# Altium PCB SystemV1.PcbDoc (part 2 of 3) (continued)
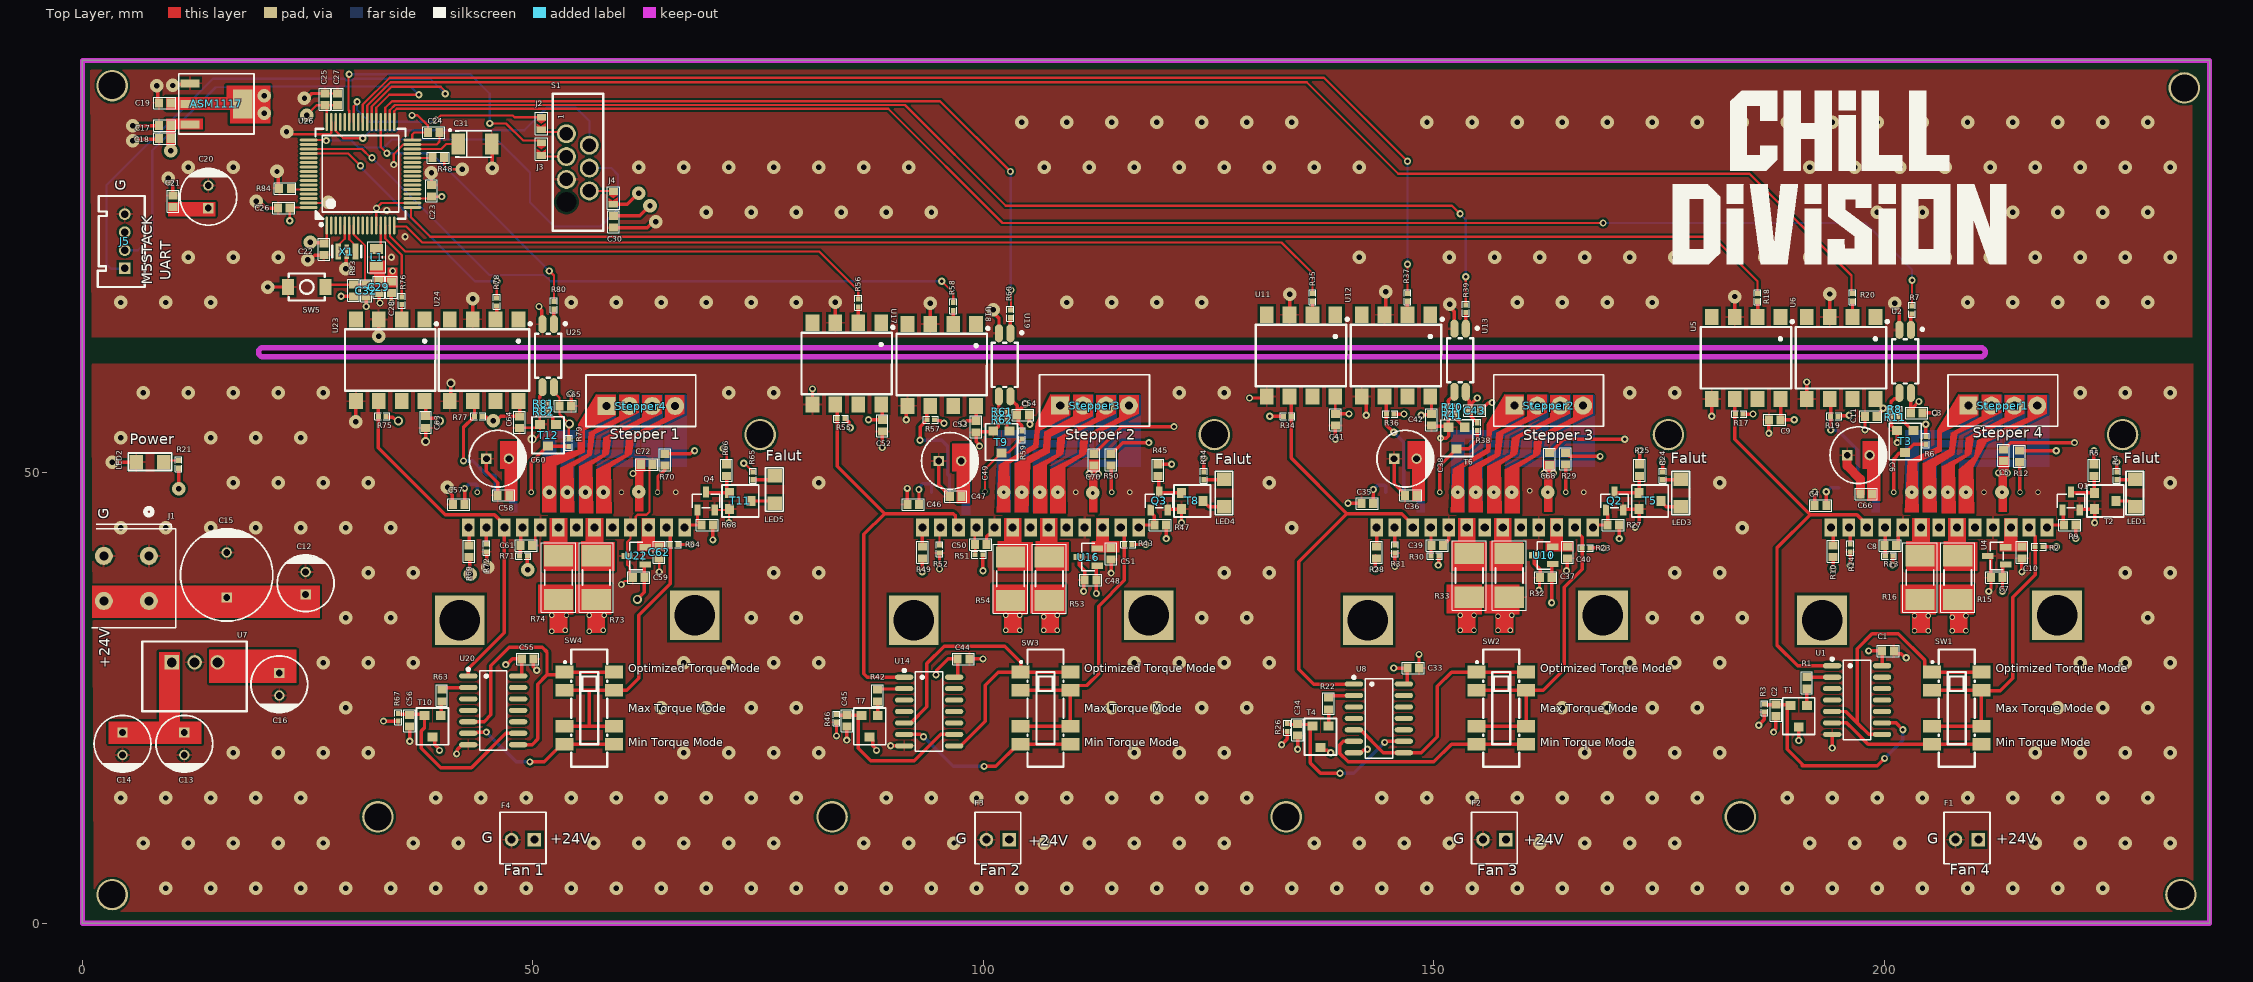
[diagram p0: Top Layer view]
## Nets (pads, with @x,y where several pads share a name; then routed paths per layer and width w, separated by ;. In a path a pad name is that pad's centre, name@x,y a point inside that pad or via, vN(x,y) a via of type N, cw(c..) or ccw(c..) an arc to the next point about the centre after c; other vN are vias at no path point) (continued)
Opt.PWR_2: SW2.1 SW2.8 U8.5 U8.8 | length 27.1
  Top Layer w0.381: U8.5@141.122,21.463 141.854,21.463 144.394,18.923 U8.8@146.66,18.923 148.593,18.923 150.371,20.701 150.371,26.289 151.958,27.876 SW2.1@154.73,27.876 SW2.8@160.23,27.876
Opt.PWR_3: SW3.1 SW3.8 U14.5 U14.8 | length 39.7
  Top Layer w0.381: U14.5@91.211,22.225 91.943,22.225 93.726,24.008 93.726,28.826 95.634,30.734 102.365,30.734 104.143,28.956 104.143,27.879 SW3.1@104.14,27.876 ; U14.8@96.749,19.685 97.481,19.685 100.206,22.41 100.206,26.416 101.666,27.876 SW3.1@104.14,27.876 ; SW3.8@109.64,27.876 SW3.1@104.14,27.876
Opt.PWR_4: SW4.1 SW4.8 U20.5 U20.8 | length 35.7
  Top Layer w0.381: U20.5@42.824,22.352 44.577,22.352 45.339,23.114 45.339,28.575 47.371,30.607 51.054,30.607 51.562,30.099 51.562,27.559 ; U20.8@48.362,19.812 49.911,19.812 50.546,20.447 50.546,26.543 51.562,27.559 ; SW4.8@59.011,27.876 SW4.1@53.511,27.876 53.194,27.559 51.562,27.559
OSC_IN: U26.5 X1.1 | length 3.1
  Top Layer w0.25: X1.1@28.387,74.676 28.387,75.251 29.111,75.975 U26.5@29.111,77.435
OSC_OU: U26.6 X1.3 | length 3
  Top Layer w0.25: U26.6@29.611,77.435 29.611,75.927 30.287,75.251 X1.3@30.287,74.676
RST: C32.2 R83.2 SW5.2 U26.7 | length 11.8
  Top Layer w0.25: SW5.2@26.924,70.866 30.099,70.866 C32.2@31.496,70.866 31.372,70.99 31.372,75.181 30.12,76.433 30.12,77.426 U26.7@30.111,77.435 ; SW5.2@27.094,70.231 SW5.2@27.094,70.316
RX0: J3.1 U26.43 | length 31.8
  Top Layer w0.25: v2(29.594,94.234) 29.526,94.166 29.526,90.26 29.611,90.175 U26.43@29.611,88.935 ; v2(45.215,88.773) 47.006,88.773 48.91,86.869 50.677,86.869 J3.1@50.927,86.619
  Bottom Layer w0.25: v2(29.594,94.234) 43.056,94.234 45.215,92.075 v2(45.215,88.773)
Stepper1_A1: Stepper1.1 U3.16
  other v4: 203.059,47.842
Stepper1_A2: Stepper1.2 U3.14
  other v4: 205.059,47.842
Stepper1_B1: Stepper1.3 U3.12
  other v4: 207.059,47.842
Stepper1_B2: Stepper1.4 U3.10
  other v4: 209.059,47.842
Stepper2_A1: Stepper2.1 U9.16
  other v4: 152.649,47.842
Stepper2_A2: Stepper2.2 U9.14
  other v4: 154.649,47.842
Stepper2_B1: Stepper2.3 U9.12
  other v4: 156.649,47.842
Stepper2_B2: Stepper2.4 U9.10
  other v4: 158.649,47.842
Stepper3_A1: Stepper3.1 U15.16
  other v4: 102.239,47.842
Stepper3_A2: Stepper3.2 U15.14
  other v4: 104.239,47.842
Stepper3_B1: Stepper3.3 U15.12
  other v4: 106.239,47.842
Stepper3_B2: Stepper3.4 U15.10
  other v4: 108.239,47.842
Stepper4_A1: Stepper4.1 U21.16
  other v1: 51.829,47.842
Stepper4_A2: Stepper4.2 U21.14
  other v1: 53.829,47.842
Stepper4_B1: Stepper4.3 U21.12
  other v1: 55.829,47.842
Stepper4_B2: Stepper4.4 U21.10
  other v1: 57.829,47.842
STM_CLK_1: R18.2 U26.17 | length 155
  Top Layer w0.25: U26.17@36.611,79.435 36.475,79.435 36.452,79.412 36.452,78.359 38.611,76.2 180.978,76.2 185.928,71.25 R18.2@185.928,69.902
STM_CLK_2: R35.2 U26.16 | length 106.4
  Top Layer w0.25: U26.16@34.611,77.435 34.611,77.366 34.634,77.343 35.944,77.343 37.722,75.565 133.099,75.565 136.525,72.139 R35.2@136.525,69.902
STM_CLK_3: R56.2 U26.15 | length 56.6
  Top Layer w0.25: U26.15@34.111,77.435 34.12,77.426 34.12,76.246 35.817,74.549 81.791,74.549 86.109,70.231 86.109,69.27 R56.2@86.106,69.267
STM_CLK_4: R76.2 U26.14 | length 8.7
  Top Layer w0.25: U26.14@33.611,77.435 33.611,75.993 35.433,74.171 R76.2@35.433,69.521
STM_DIR_1: R20.2 U26.39 | length 178.6
  Top Layer w0.25: U26.39@31.611,88.935 31.611,90.76 34.196,93.345 135.893,93.345 146.053,83.185 185.042,83.185 196.345,71.882 196.345,70.026 R20.2@196.469,69.902
STM_DIR_2: R37.2 U26.40 | length 137.6
  Top Layer w0.25: U26.40@31.111,88.935 31.111,90.865 34.099,93.853 137.798,93.853 v2(147.069,84.582) ; R37.2@147.066,69.902 147.067,69.903 147.067,73.151 v2(147.069,73.152)
  Bottom Layer w0.25: v2(147.069,73.152) v2(147.069,84.582)
STM_DIR_3: R58.2 U26.51 | length 79.2
  Top Layer w0.25: U26.51@25.111,85.935 31.013,85.935 31.985,84.963 v2(32.134,84.963) ; v2(95.38,71.247) 96.647,69.98 R58.2@96.647,68.886
  Bottom Layer w0.25: v2(32.134,84.963) 45.147,71.95 51.265,71.95 51.968,71.247 v2(95.38,71.247)
STM_DIR_4: R78.2 U26.52 | length 28.7
  Top Layer w0.25: U26.52@25.111,85.435 29.503,85.435 v2(30.864,84.074) ; R78.2@45.974,69.394 45.975,69.395 45.975,71.246 v2(45.977,71.247)
  Bottom Layer w0.25: v2(30.864,84.074) 30.864,83.947 43.564,71.247 v2(45.977,71.247)
STM_ENABLE_1: R7.2 U26.33 | length 181.2
  Top Layer w0.25: U26.33@34.611,88.935 34.611,90.11 34.891,90.39 89.445,90.39 102.111,77.724 v2(168.786,77.724) ; R7.2@203.073,68.505 v2@203.073,71.374
  Bottom Layer w0.25: v2(168.786,77.724) 197.869,77.724 203.076,72.517 v2(203.076,71.374)
STM_ENABLE_2: R39.2 U26.34 | length 135.7
  Top Layer w0.25: U26.34@34.111,88.935 34.111,90.242 34.686,90.817 91.304,90.817 102.492,79.629 152.022,79.629 v2(152.911,78.74) ; R39.2@153.543,68.632 153.544,68.633 153.544,71.754 v2(153.546,71.755)
  Bottom Layer w0.25: v2(152.911,78.74) 152.911,78.704 153.546,78.069 v2(153.546,71.755)
STM_ENABLE_3: R60.2 U26.35 | length 89.9
  Top Layer w0.25: U26.35@33.611,88.935 33.611,90.504 34.352,91.245 95.194,91.245 v2(103,83.439) ; R60.2@102.997,68.072 103.062,68.137 v2(103.062,70.293)
  Bottom Layer w0.25: v2(103,83.439) 103.031,83.408 103.031,70.324 v2(103.062,70.293)
STM_ENABLE_4: R80.2 U26.36 | length 30.8
  Top Layer w0.25: U26.36@33.111,88.935 33.111,86.145 v2(33.785,85.471) ; v2(51.819,72.39) 52.324,71.885 R80.2@52.324,69.013
  Bottom Layer w0.25: v2(33.785,85.471) 38.738,85.471 v2(51.819,72.39)
STM_RX_PIN: J5.1 U26.38 | length 65.6
  Top Layer w0.25: U26.38@32.111,88.935 32.111,90.655 34.293,92.837 39.754,92.837 40.262,92.329 v2(40.262,92.075)
  Bottom Layer w0.25: J5.1@4.699,72.708 4.635,72.644 3.178,72.644 2.67,73.152 2.67,81.918 14.478,93.726 29.108,93.726 29.303,93.531 29.885,93.531 30.08,93.726 38.611,93.726 v2(40.262,92.075)
STM_TX_PIN: J5.2 U26.37 | length 52.9
  Top Layer w0.25: U26.37@32.611,88.935 32.611,90.52 34.039,91.948 v2(37.341,91.948)
  Bottom Layer w0.25: J5.2@4.699,74.708 6.131,74.708 7.75,76.327 7.75,85.758 14.756,92.764 ; 14.756,92.764 20.172,92.874 cw(c20.193,91.821) 20.193,92.874 20.314,92.874 cw(c20.32,91.821) 20.325,92.874 36.452,92.837 36.525,92.764 v2(37.341,91.948)
SWCLK: S1.5 U26.49 | length 49.1
  Top Layer w0.25: U26.49@25.111,86.935 25.121,86.925 26.997,86.925 v2(27.054,86.868)
  Bottom Layer w0.25: v2(27.054,86.868) 29.848,86.868 30.61,86.106 33.426,86.106 34.315,86.995 45.977,86.995 49.66,83.312 49.66,80.01 52.35,77.32 57.511,77.32 59.439,79.248 59.439,83.058 58.677,83.82 S1.5@56.261,83.82
SWDIO: S1.6 U26.46 | length 34.2
  Top Layer w0.25: U26.46@28.111,88.935 28.121,88.925 28.121,87.935 28.934,87.122 v2@31.115,87.122
  Bottom Layer w0.25: v2(31.118,87.122) 32.007,88.011 49.025,88.011 51.565,90.551 54.74,90.551 56.264,89.027 56.264,86.363 S1.6@56.261,86.36
TQ_1: R2.2 SW1.2 SW1.3 SW1.6 SW1.7 U3.3 | length 37.2
  Top Layer w0.381: SW1.3@205.276,21.876 SW1.6@210.776,21.876 SW1.7@210.776,25.876 ; SW1.2@205.276,25.876 SW1.7@210.776,25.876 ; U3.3@216.059,43.942 216.059,43.642 216.74,42.961 R2.2@216.74,41.783 216.74,38.683 214.252,36.195 214.252,27.178 212.855,25.781 210.871,25.781 SW1.7@210.776,25.876
TQ_2: R23.2 SW2.2 SW2.3 SW2.6 SW2.7 U9.3 | length 37.1
  Top Layer w0.381: SW2.3@154.73,21.876 SW2.6@160.23,21.876 SW2.7@160.23,25.876 ; SW2.2@154.73,25.876 SW2.7@160.23,25.876 ; U9.3@165.649,43.942 165.649,43.642 166.445,42.846 R23.2@166.445,41.656 166.445,39.29 164.465,37.31 164.465,28.191 162.15,25.876 SW2.7@160.23,25.876
TQ_3: R43.2 SW3.2 SW3.3 SW3.6 SW3.7 U15.3 | length 36.5
  Top Layer w0.381: SW3.3@104.14,21.876 SW3.6@109.64,21.876 SW3.7@109.64,25.876 ; SW3.2@104.14,25.876 SW3.7@109.64,25.876 ; U15.3@115.239,43.942 115.648,43.533 R43.2@115.648,42.037 115.648,38.048 112.779,35.179 112.779,27.686 111.478,26.385 110.149,26.385 SW3.7@109.64,25.876
TQ_4: R64.2 SW4.2 SW4.3 SW4.6 SW4.7 U21.3 | length 36.6
  Top Layer w0.381: SW4.3@53.511,21.876 56.261,21.876 ; SW4.2@53.511,25.876 56.261,25.876 ; SW4.6@59.011,21.876 56.261,21.876 ; U21.3@64.829,43.942 65.226,43.545 R64.2@65.226,42.037 ; R64.2@65.239,42.037 65.239,37.68 61.722,34.163 61.722,27.178 60.42,25.876 SW4.7@59.011,25.876 56.261,25.876 ; 56.261,21.876 56.261,25.876
TX0: J2.1 U26.42 | length 24.7
  Top Layer w0.25: U26.42@30.111,88.935 30.111,90.665 30.483,91.037 v2(30.483,91.186) ; v2(39.246,89.154) 39.754,89.662 47.755,89.662 47.958,89.459 J2.1@50.927,89.459
  Bottom Layer w0.25: v2(30.483,91.186) 30.483,90.297 31.821,88.959 38.902,88.959 39.097,89.154 v2(39.246,89.154)
uCGND: ASM1117.GND C17.1 C18.1 C19.1 C20.2 C21.1 C22.1 C23.1 C24.1 C25.1 C26.1 C27.1 C28.1 C29.1 C30.1 C31.2 C32.1 J5.4 R48.1 R84.1 S1.3 SW5.1 U2.2 U5.3 U6.3 U11.3 U12.3 U13.2 U17.3 U18.3 U19.2 U23.3 U24.3 U25.2 U26.12 U26.18 U26.31 U26.47 U26.63 X1.2 | length 91.2
  Top Layer w0.25: v1@22.606,87.884 22.919,87.571 27.465,87.571 27.611,87.717 U26.47@27.611,88.935 ; U26.63@25.111,79.935 27.23,79.935 v1(27.305,80.01) ; C25.1@26.924,92.09 C27.1@28.321,92.09 ; U26.12@32.611,77.435 32.611,78.299 32.621,78.308 32.621,79.357 33.199,79.935 U26.18@36.611,79.935 ; v2(34.544,84.201) 34.544,85.359 35.611,86.425 36.601,86.425 U26.31@36.611,86.435 39.318,86.435 39.639,86.756 C24.1@39.639,87.757 ; C23.1@38.738,81.945 C23.1@38.742,81.949 ; R48.1@40.147,84.963 40.147,84.186 40.64,83.693 v1@42.164,83.693
  Top Layer w0.381: v1(5.588,86.868) 5.715,86.995 8.367,86.995 C18.1@8.374,87.003 ; v1(5.588,88.519) 8.255,88.519 C17.1@8.374,88.4 ; C19.1@8.374,91.178 v1@8.374,92.845 ; v1(9.525,82.677) 9.525,82.374 10.033,81.866 C21.1@10.033,80.787 ; v1@10.143,93.103 ASM1117.GND@11.809,93.103 ; v1(19.304,80.137) 19.607,80.137 20.369,79.375 C26.1@21.702,79.375 ; v1(20.543,70.612) SW5.1@22.817,70.612 ; v1(21.59,83.439) 21.709,83.32 21.709,81.653 R84.1@21.829,81.534 ; v1(24.638,91.567) 24.941,91.567 25.464,92.09 26.804,92.09 C25.1@26.864,92.03 ; v1(25.019,73.66) 25.263,73.66 25.759,74.156 C22.1@26.8,74.156 ; v1(29.21,72.644) 29.278,72.712 X1.2@29.278,73.94 ; C32.1@31.488,69.52 31.496,69.513 v2(31.496,68.453) ; C29.1@32.885,69.916 32.956,69.845 32.956,68.897 v2(33.02,68.834) ; v1(32.893,65.151) U23.3@32.893,67.029 ; C28.1@34.282,69.901 34.29,69.894 v2(34.29,68.834) ; v1(38.735,83.312) 38.736,83.311 38.736,81.999 C23.1@38.764,81.972 ; U24.3@43.307,67.029 v1(43.307,69.303) ; C31.2@45.395,86.46 45.466,86.39 v1(45.466,83.82) ; v2(50.673,68.453) 50.673,68.34 50.955,68.058 50.955,67.028 U25.2@51.181,66.802 ; C30.1@58.928,77.201 62.674,77.201 63.324,77.851 v1(63.627,77.851) ; U17.3@83.566,66.648 v1(83.566,68.922) ; U18.3@94.107,66.521 v1(94.107,68.795) ; v1(101.092,68.072) 101.092,67.769 101.727,67.134 U19.2@101.727,65.476 ; U11.3@133.985,67.537 v1(133.985,69.811) ; U12.3@144.653,67.818 v1(144.653,70.092) ; v1(151.765,68.707) 151.765,68.404 152.273,67.896 U13.2@152.273,65.984 ; U5.3@183.388,67.283 v1(183.388,69.557) ; U6.3@193.929,67.564 v1(193.929,69.838) ; v1(201.168,68.834) 201.168,68.531 201.676,68.023 U2.2@201.676,66.421
  other v1: 4.233,68.899 9.233,68.899 14.233,68.899 54.233,68.899 59.233,68.899 64.233,68.899 69.233,68.899 74.233,68.899 79.233,68.899 109.233,68.899 114.233,68.899 119.233,68.899 124.233,68.899 159.233,68.899 164.233,68.899 169.233,68.899 174.233,68.899 209.233,68.899 214.233,68.899 219.233,68.899 224.233,68.899 229.233,68.899 11.733,73.899 16.733,73.899 21.733,73.899 141.733,73.899 151.733,73.899 156.733,73.899 161.733,73.899 166.733,73.899 171.733,73.899 176.733,73.899 186.733,73.899 191.733,73.899 206.733,73.899 211.733,73.899 216.733,73.899 221.733,73.899 226.733,73.899 231.733,73.899 69.233,78.899 74.233,78.899 79.233,78.899 84.233,78.899 89.233,78.899 94.233,78.899 199.233,78.899 204.233,78.899 209.233,78.899 214.233,78.899 219.233,78.899 224.233,78.899 229.233,78.899 42.163,83.694 11.733,83.899 16.733,83.899 61.733,83.899 66.733,83.899 71.733,83.899 76.733,83.899 81.733,83.899 86.733,83.899 91.733,83.899 106.733,83.899 111.733,83.899 116.733,83.899 121.733,83.899 126.733,83.899 131.733,83.899 136.733,83.899 141.733,83.899 191.733,83.899 196.733,83.899 201.733,83.899 206.733,83.899 211.733,83.899 216.733,83.899 221.733,83.899 226.733,83.899 231.733,83.899 22.649,87.86 104.233,88.899 109.233,88.899 114.233,88.899 119.233,88.899 124.233,88.899 129.233,88.899 134.233,88.899 149.233,88.899 154.233,88.899 159.233,88.899 164.233,88.899 169.233,88.899 174.233,88.899 179.233,88.899 184.233,88.899 189.233,88.899 194.233,88.899 199.233,88.899 204.233,88.899 209.233,88.899 214.233,88.899 219.233,88.899 224.233,88.899 229.233,88.899 8.255,92.964 10.024,92.983
  other v2: 34.29,73.914 35.814,76.2 33.782,79.121 32.639,79.375
Vref1: C10.2 U3.5 U4.2
Vref2: C40.2 U9.5 U10.2
Vref3: C51.2 U15.5 U16.2
Vref4: C62.2 U21.5 U22.2
pads on no net: S1.0 U1.3 U1.4 U1.10 U1.11 U1.12 U1.13 U3. U5.1 U5.4 U5.7 U6.1 U6.4 U6.7 U8.3 U8.4 U8.10 U8.11 U8.12 U8.13 U9. U11.1 U11.4 U11.7 U12.1 U12.4 U12.7 U14.3 U14.4 U14.10 U14.11 U14.12 U14.13 U15. U17.1 U17.4 U17.7 U18.1 U18.4 U18.7 U20.3 U20.4 U20.10 U20.11 U20.12 U20.13 U21. U23.1 U23.4 U23.7 U24.1 U24.4 U24.7 U26.2 U26.3 U26.4 U26.8 U26.9 U26.10 U26.11 U26.20 U26.21 U26.22 U26.23 U26.24 U26.25 U26.26 U26.27 U26.29 U26.41 U26.44 U26.45 U26.50 U26.53 U26.54 U26.55 U26.56 U26.57 U26.58 U26.59 U26.61 U26.62

## Polygon pours and split planes (outlines as drawn)
uCGND on Bottom Layer "NONET_L-01_P-001" (solid, pour order 2): 0.889,94.742 1.143,94.742 234.188,94.742 234.188,94.361 234.188,65.024 1.013,65.024
GND on Bottom Layer "NONET_L-01_P-001" (solid, pour order 0): 1.016,62.103 1.27,62.103 234.315,62.103 234.315,61.722 234.315,1.27 233.934,1.27 1.27,1.27
uCGND on Top Layer "NONET_L-01_P-001" (solid, pour order 3): 0.889,94.742 1.143,94.742 234.188,94.742 234.188,94.361 234.188,65.024 1.013,65.024
GND on Top Layer "NONET_L-01_P-001" (solid, pour order 1): 1.016,62.103 1.27,62.103 234.315,62.103 234.315,61.722 234.315,1.27 233.934,1.27 1.27,1.27
+5V on VCC (split plane): 700 vertices, not listed, extent 13.89,18.462 223.445,62.371
+24V on VCC (split plane): 804 vertices, not listed, extent 0.51,0.51 235.583,62.53
+5V_uC on VCC (split plane): 13.796,85.137 10.795,85.137 10.736,85.132 10.68,85.115 10.628,85.087 10.582,85.049 10.544,85.003 10.516,84.951 10.499,84.895 10.494,84.836 10.494,80.772 10.499,80.713 10.516,80.657 10.544,80.605 10.582,80.559 10.628,80.521 10.68,80.493 10.736,80.476 10.795,80.471 15.574,80.471 15.574,75.739 0.51,75.739 0.51,77.677 6.985,77.677 7.044,77.682 7.1,77.699 7.152,77.727 7.198,77.765 7.236,77.811 7.264,77.863 7.281,77.919 7.286,77.978 7.286,78.994 7.286,89.488 13.796,89.488
+3.3V_uC on VCC (split plane): 235.583,64.367 235.458,64.375 210.915,64.375 210.894,64.382 210.794,64.391 210.693,64.391 25.345,64.391 25.276,64.426 25.151,64.468 25.023,64.494 24.892,64.502 0.762,64.502 0.631,64.494 0.51,64.47 0.51,75.137 15.875,75.137 15.934,75.142 15.99,75.159 16.042,75.187 16.088,75.225 16.126,75.271 16.154,75.323 16.171,75.379 16.176,75.438 16.176,80.772 16.171,80.831 16.154,80.887 16.126,80.939 16.088,80.985 16.042,81.023 15.99,81.051 15.934,81.068 15.875,81.073 11.096,81.073 11.096,84.535 14.097,84.535 14.156,84.54 14.212,84.557 14.264,84.585 14.31,84.623 14.348,84.669 14.376,84.721 14.393,84.777 14.398,84.836 14.398,89.789 14.393,89.848 14.376,89.904 14.348,89.956 14.31,90.002 14.264,90.04 14.212,90.068 14.156,90.085 14.097,90.09 6.985,90.09 6.926,90.085 6.87,90.068 6.818,90.04 6.772,90.002 6.734,89.956 6.706,89.904 6.689,89.848 6.684,89.789 6.684,78.994 6.684,78.279 0.51,78.279 0.51,95.248 235.583,95.248
GND on GND (split plane): 0.63,62.532 0.758,62.506 0.889,62.498 19.539,62.498 19.568,62.483 19.754,62.405 19.85,62.376 19.95,62.366 20.051,62.366 205.54,62.355 205.61,62.32 205.735,62.278 205.863,62.252 205.994,62.244 235.583,62.244 235.583,0.51 0.51,0.51 0.51,62.572
uCGND on GND (split plane): 235.583,64.248 211.227,64.248 211.189,64.268 211.176,64.275 210.989,64.353 210.952,64.364 210.894,64.382 210.794,64.391 210.693,64.391 25.345,64.391 25.276,64.426 25.151,64.468 25.023,64.494 24.892,64.502 0.889,64.502 0.758,64.494 0.63,64.468 0.51,64.428 0.51,95.248 235.583,95.248

## Keep-outs
Keep-Out Layer:
  lines w0.6: 20.051,62.865 210.693,62.865 ccw(c210.693,63.373) 210.693,63.881 20.051,63.881 ; 20.051,62.877 cw(c20.051,63.385) 20.051,63.893 ; 0,0 236.093,0 236.093,95.758 65.786,95.758 0,95.758 0,0

## Other copper
Top Layer:
  region net +3.3V_uC: 34.925,71.882 34.925,72.771 33.909,72.771 33.909,71.882
  region net +3.3V_uC: 31.877,73.533 33.528,73.533 33.528,71.882 34.925,71.882 34.925,70.612 32.385,70.612 32.385,72.009 31.877,72.009
  region net +24V: 212.678,51.816 213.821,51.816 213.821,50.128 213.567,50.128 213.567,45.683 212.678,45.683
  region net +24V: 162.268,51.308 163.411,51.308 163.411,50.128 163.157,50.128 163.157,45.683 162.268,45.683
  region net +5V: 14.097,30.353 23.749,30.353 23.749,26.67 14.097,26.67
  region net +24V: 10.795,30.099 10.795,22.352 13.208,22.352 13.208,19.939 2.921,19.939 2.921,22.225 2.921,22.352 8.509,22.352 8.509,30.099
  region net +3.3V_uC: 9.271,91.694 16.002,91.694 16.002,92.964 20.828,92.964 20.828,88.773 16.383,88.773 16.383,90.297 9.271,90.297
  region net +5V_uC: 13.335,89.281 13.335,88.138 10.287,88.138 10.287,85.217 9.271,85.217 9.271,89.281
  region net +5V_uC: 9.525,80.01 14.732,80.01 14.732,78.486 9.525,78.486
  region net +24V: 198.13,46.905 198.13,50.461 197.622,50.461 197.622,53.509 199.527,53.509 199.527,46.905
  region net +24V: 147.617,46.863 147.617,50.419 147.109,50.419 147.109,53.467 149.014,53.467 149.014,46.863
  region net +24V: 111.763,51.435 112.906,51.435 112.906,50.038 112.652,50.038 112.652,45.593 111.763,45.593
  region net +24V: 97.068,46.609 97.068,50.165 96.56,50.165 96.56,53.213 98.465,53.213 98.465,46.609
  region net Vref1: 213.333,44.958 213.333,42.418 212.825,42.418 212.825,41.275 215.873,41.275 215.873,42.418 214.857,42.418 214.73,42.418 214.73,42.545 214.73,44.958
  region net Vref2: 162.923,44.958 162.923,42.418 162.415,42.418 162.415,41.275 165.463,41.275 165.463,42.418 164.447,42.418 164.32,42.418 164.32,42.545 164.32,44.958
  region net Vref3: 112.513,44.958 112.513,42.418 112.005,42.418 112.005,41.148 115.053,41.148 115.053,42.418 114.037,42.418 113.91,42.418 113.91,42.545 113.91,44.958
  region net +24V: 26.355,33.909 1.082,33.909 1.082,37.465 26.355,37.465
  region net NetR15_2: 207.11,44.958 207.11,42.418 206.602,42.418 206.602,39.116 210.285,39.116 210.285,42.291 209.015,42.291 209.015,44.958
  region net NetR16_2: 203.11,44.958 203.11,42.418 202.411,42.418 202.411,39.116 206.285,39.116 206.285,42.291 205.015,42.291 205.015,44.958
  region net GND: 205.014,32.258 205.014,34.29 205.713,34.29 205.713,37.592 201.839,37.592 201.839,34.417 203.109,34.417 203.109,32.258
  region net GND: 209.205,32.258 209.205,34.29 209.904,34.29 209.904,37.592 206.03,37.592 206.03,34.417 207.3,34.417 207.3,32.258
  region net NetR32_2: 156.7,44.958 156.7,42.418 156.192,42.418 156.192,39.116 159.875,39.116 159.875,42.291 158.605,42.291 158.605,44.958
  region net NetR33_2: 152.7,44.958 152.7,42.418 152.001,42.418 152.001,39.116 155.875,39.116 155.875,42.291 154.605,42.291 154.605,44.958
  region net GND: 154.604,32.258 154.604,34.29 155.303,34.29 155.303,37.592 151.429,37.592 151.429,34.417 152.699,34.417 152.699,32.258
  region net GND: 158.795,32.258 158.795,34.29 159.494,34.29 159.494,37.592 155.62,37.592 155.62,34.417 156.89,34.417 156.89,32.258
  region net NetR53_2: 106.29,44.958 106.29,42.418 105.782,42.418 105.782,39.116 109.465,39.116 109.465,42.291 108.195,42.291 108.195,44.958
  region net NetR54_2: 102.29,44.958 102.29,42.418 101.591,42.418 101.591,39.116 105.465,39.116 105.465,42.291 104.195,42.291 104.195,44.958
  region net GND: 104.194,32.258 104.194,34.29 104.893,34.29 104.893,37.592 101.019,37.592 101.019,34.417 102.289,34.417 102.289,32.258
  region net GND: 108.385,32.258 108.385,34.29 109.084,34.29 109.084,37.592 105.21,37.592 105.21,34.417 106.48,34.417 106.48,32.258
  region net Stepper2_A1: 153.398,45.593 151.874,45.593 152.117,50.454 155.819,52.639 155.849,55.383 157.862,58.706 160.002,58.674 160.036,56.404 156.409,54.531 156.242,52.254 153.29,50.619
  region net Stepper1_A2: 205.808,45.593 204.284,45.593 204.284,51.067 207.214,52.592 207.345,54.436 210.793,56.261 210.793,58.674 212.952,58.674 212.952,56.642 208.094,54.291 207.776,51.993 205.717,50.702
  region net Stepper1_B1: 207.93,45.503 206.348,45.503 206.348,50.719 208.902,52.049 209.034,53.885 213.352,56.171 213.352,58.584 215.511,58.584 215.511,56.552 210.653,54.201 209.923,53.885 209.669,52.049 207.834,50.9
  region net Stepper1_B2: 209.969,45.503 208.253,45.503 208.253,50.389 209.969,51.816 210.315,53.594 215.892,56.171 215.892,58.584 218.051,58.584 218.051,56.552 213.193,54.201 212.463,53.885 211.349,53.403 209.878,50.589
  region net Stepper1_A1: 203.808,45.593 202.284,45.593 202.58,51.332 205.858,52.892 205.878,54.756 208.272,58.706 210.412,58.674 210.446,56.404 206.378,54.429 206.378,52.387 203.655,51.088
  region net Stepper2_A2: 155.398,45.593 153.874,45.593 153.874,50.593 156.75,52.09 156.916,54.426 160.383,56.261 160.383,58.674 162.542,58.674 162.542,56.642 157.684,54.291 157.352,51.893 155.308,50.613
  region net Stepper2_B1: 157.52,45.503 155.938,45.503 155.938,50.719 158.493,52.049 158.624,53.885 162.942,56.171 162.942,58.584 165.101,58.584 165.101,56.552 160.243,54.201 159.513,53.885 159.259,52.049 157.424,50.9
  region net Stepper2_B2: 159.559,45.503 157.843,45.503 157.843,50.389 161.033,52.049 161.164,53.885 165.482,56.171 165.482,58.584 167.641,58.584 167.641,56.552 162.783,54.201 162.053,53.885 161.799,52.049 159.468,50.589
  region net Stepper3_A2: 104.988,45.593 103.464,45.593 103.464,51.067 106.629,52.715 106.761,54.561 109.973,56.261 109.973,58.674 112.132,58.674 112.132,56.264 107.465,54.005 107.342,52.221 105.218,51.067
  region net Stepper3_B1: 107.11,45.503 105.528,45.503 105.528,50.719 108.083,52.049 108.214,53.885 112.532,56.171 112.532,58.584 114.691,58.584 114.691,56.552 109.833,54.201 109.103,53.885 108.849,52.049 107.014,50.9
  region net Stepper3_B2: 109.149,45.503 107.433,45.503 107.433,50.389 110.623,52.049 110.754,53.885 115.072,56.171 115.072,58.584 117.231,58.584 117.231,56.552 112.373,54.201 111.643,53.885 111.389,52.049 109.058,50.589
  region net Stepper3_A1: 102.988,45.593 101.464,45.593 101.727,50.863 105.531,53.108 105.794,55.499 107.452,58.706 109.592,58.674 109.626,56.404 106.234,54.653 106.097,52.785 102.871,50.998
  region net +24V: 61.341,51.562 62.484,51.562 62.484,50.165 62.23,50.165 62.23,45.72 61.341,45.72
  region net +24V: 46.863,46.863 46.863,50.419 46.355,50.419 46.355,53.467 48.26,53.467 48.26,46.863
  region net Stepper4_A1: 52.578,45.593 51.054,45.593 51.054,51.689 54.982,52.562 55.012,55.355 57.042,58.706 59.182,58.674 59.216,56.404 55.756,54.724 55.756,52.294 52.578,50.799
  region net Stepper4_B2: 58.739,45.503 57.023,45.503 57.023,50.389 60.213,52.049 60.344,53.885 64.662,56.171 64.662,58.584 66.821,58.584 66.821,56.552 61.963,54.201 61.233,53.885 60.979,52.049 58.648,50.589
  region net Stepper4_B1: 56.7,45.503 55.118,45.503 55.118,50.719 57.673,52.049 57.804,53.885 62.122,56.171 62.122,58.584 64.281,58.584 64.281,56.552 59.423,54.201 58.693,53.885 58.439,52.049 56.604,50.9
  region net Stepper4_A2: 54.578,45.593 53.054,45.593 53.054,50.542 56.039,52.096 56.21,54.486 59.563,56.261 59.563,58.674 61.722,58.674 61.722,56.642 56.864,54.291 56.541,51.958 54.488,50.671
  region net GND: 57.975,32.258 57.975,34.29 58.674,34.29 58.674,37.592 54.8,37.592 54.8,34.417 56.07,34.417 56.07,32.258
  region net GND: 53.784,32.258 53.784,34.29 54.483,34.29 54.483,37.592 50.609,37.592 50.609,34.417 51.879,34.417 51.879,32.258
  region net NetR74_2: 51.88,44.958 51.88,42.418 51.181,42.418 51.181,39.116 55.055,39.116 55.055,42.291 53.785,42.291 53.785,44.958
  region net NetR73_2: 55.88,44.958 55.88,42.418 55.372,42.418 55.372,39.116 59.055,39.116 59.055,42.291 57.785,42.291 57.785,44.958
  region net Vref4: 62.103,44.958 62.103,42.418 61.595,42.418 61.595,41.275 64.643,41.275 64.643,42.418 63.627,42.418 63.5,42.418 63.5,42.545 63.5,44.958
Bottom Layer:
  region net +24V: 198.618,45.617 198.618,50.443 197.602,50.443 197.602,53.491 199.507,53.491 199.507,45.617
  region net +24V: 148.125,45.593 148.125,50.419 147.109,50.419 147.109,53.467 149.014,53.467 149.014,45.593
  region net +24V: 97.576,45.339 97.576,50.165 96.56,50.165 96.56,53.213 98.555,53.213 98.555,45.339
  region net Stepper1_A2: 205.84,45.593 204.316,45.593 204.316,53.594 210.92,53.594 210.92,58.674 213.079,58.674 213.079,56.134 213.079,52.832 205.84,52.832
  region net Stepper1_B1: 207.84,45.593 206.316,45.593 206.316,52.578 213.333,52.578 213.333,58.674 215.619,58.674 215.619,51.689 207.84,51.689
  region net Stepper1_B2: 209.84,45.593 208.316,45.593 208.316,51.435 215.873,51.435 215.873,58.674 218.286,58.674 218.286,50.673 209.84,50.673
  region net Stepper1_A1: 203.84,45.593 202.316,45.593 202.316,54.737 208.38,54.737 208.38,58.674 210.412,58.674 210.412,53.848 203.84,53.848
  region net Stepper2_A2: 155.43,45.593 153.906,45.593 153.906,53.594 160.51,53.594 160.51,58.674 162.669,58.674 162.669,56.134 162.669,52.832 155.43,52.832
  region net Stepper2_B1: 157.43,45.593 155.906,45.593 155.906,52.578 162.923,52.578 162.923,58.674 165.209,58.674 165.209,51.689 157.43,51.689
  region net Stepper2_B2: 159.43,45.593 157.906,45.593 157.906,51.435 165.463,51.435 165.463,58.674 167.876,58.674 167.876,50.673 159.43,50.673
  region net Stepper2_A1: 153.43,45.593 151.906,45.593 151.906,54.737 157.97,54.737 157.97,58.674 160.002,58.674 160.002,53.848 153.43,53.848
  region net Stepper3_A2: 105.02,45.593 103.496,45.593 103.496,53.594 110.1,53.594 110.1,58.674 112.259,58.674 112.259,56.134 112.259,52.832 105.02,52.832
  region net Stepper3_B1: 107.02,45.593 105.496,45.593 105.496,52.578 112.513,52.578 112.513,58.674 114.799,58.674 114.799,51.689 107.02,51.689
  region net Stepper3_B2: 109.02,45.593 107.496,45.593 107.496,51.435 115.053,51.435 115.053,58.674 117.466,58.674 117.466,50.673 109.02,50.673
  region net Stepper3_A1: 103.02,45.593 101.496,45.593 101.496,54.737 107.56,54.737 107.56,58.674 109.592,58.674 109.592,53.848 103.02,53.848
  region net +24V: 47.371,45.593 47.371,50.419 46.355,50.419 46.355,53.467 48.26,53.467 48.26,45.593
  region net Stepper4_A1: 52.61,45.593 51.086,45.593 51.086,54.737 57.15,54.737 57.15,58.674 59.182,58.674 59.182,53.848 52.61,53.848
  region net Stepper4_B2: 58.61,45.593 57.086,45.593 57.086,51.435 64.643,51.435 64.643,58.674 67.056,58.674 67.056,50.673 58.61,50.673
  region net Stepper4_B1: 56.61,45.593 55.086,45.593 55.086,52.578 62.103,52.578 62.103,58.674 64.389,58.674 64.389,51.689 56.61,51.689
  region net Stepper4_A2: 54.61,45.593 53.086,45.593 53.086,53.594 59.69,53.594 59.69,58.674 61.849,58.674 61.849,56.134 61.849,52.832 54.61,52.832
GND (plane layer: these items are gaps in the copper):
  lines w2: 0.889,63.5 24.892,63.5 ; 205.994,63.246 235.585,63.246
  text "NEGATIVE \"PLANE LAYER\"" at 239.903,10.191 h15